# Altium PCB Fastino-DIOT.PCBDOC (part 2 of 22) (continued)
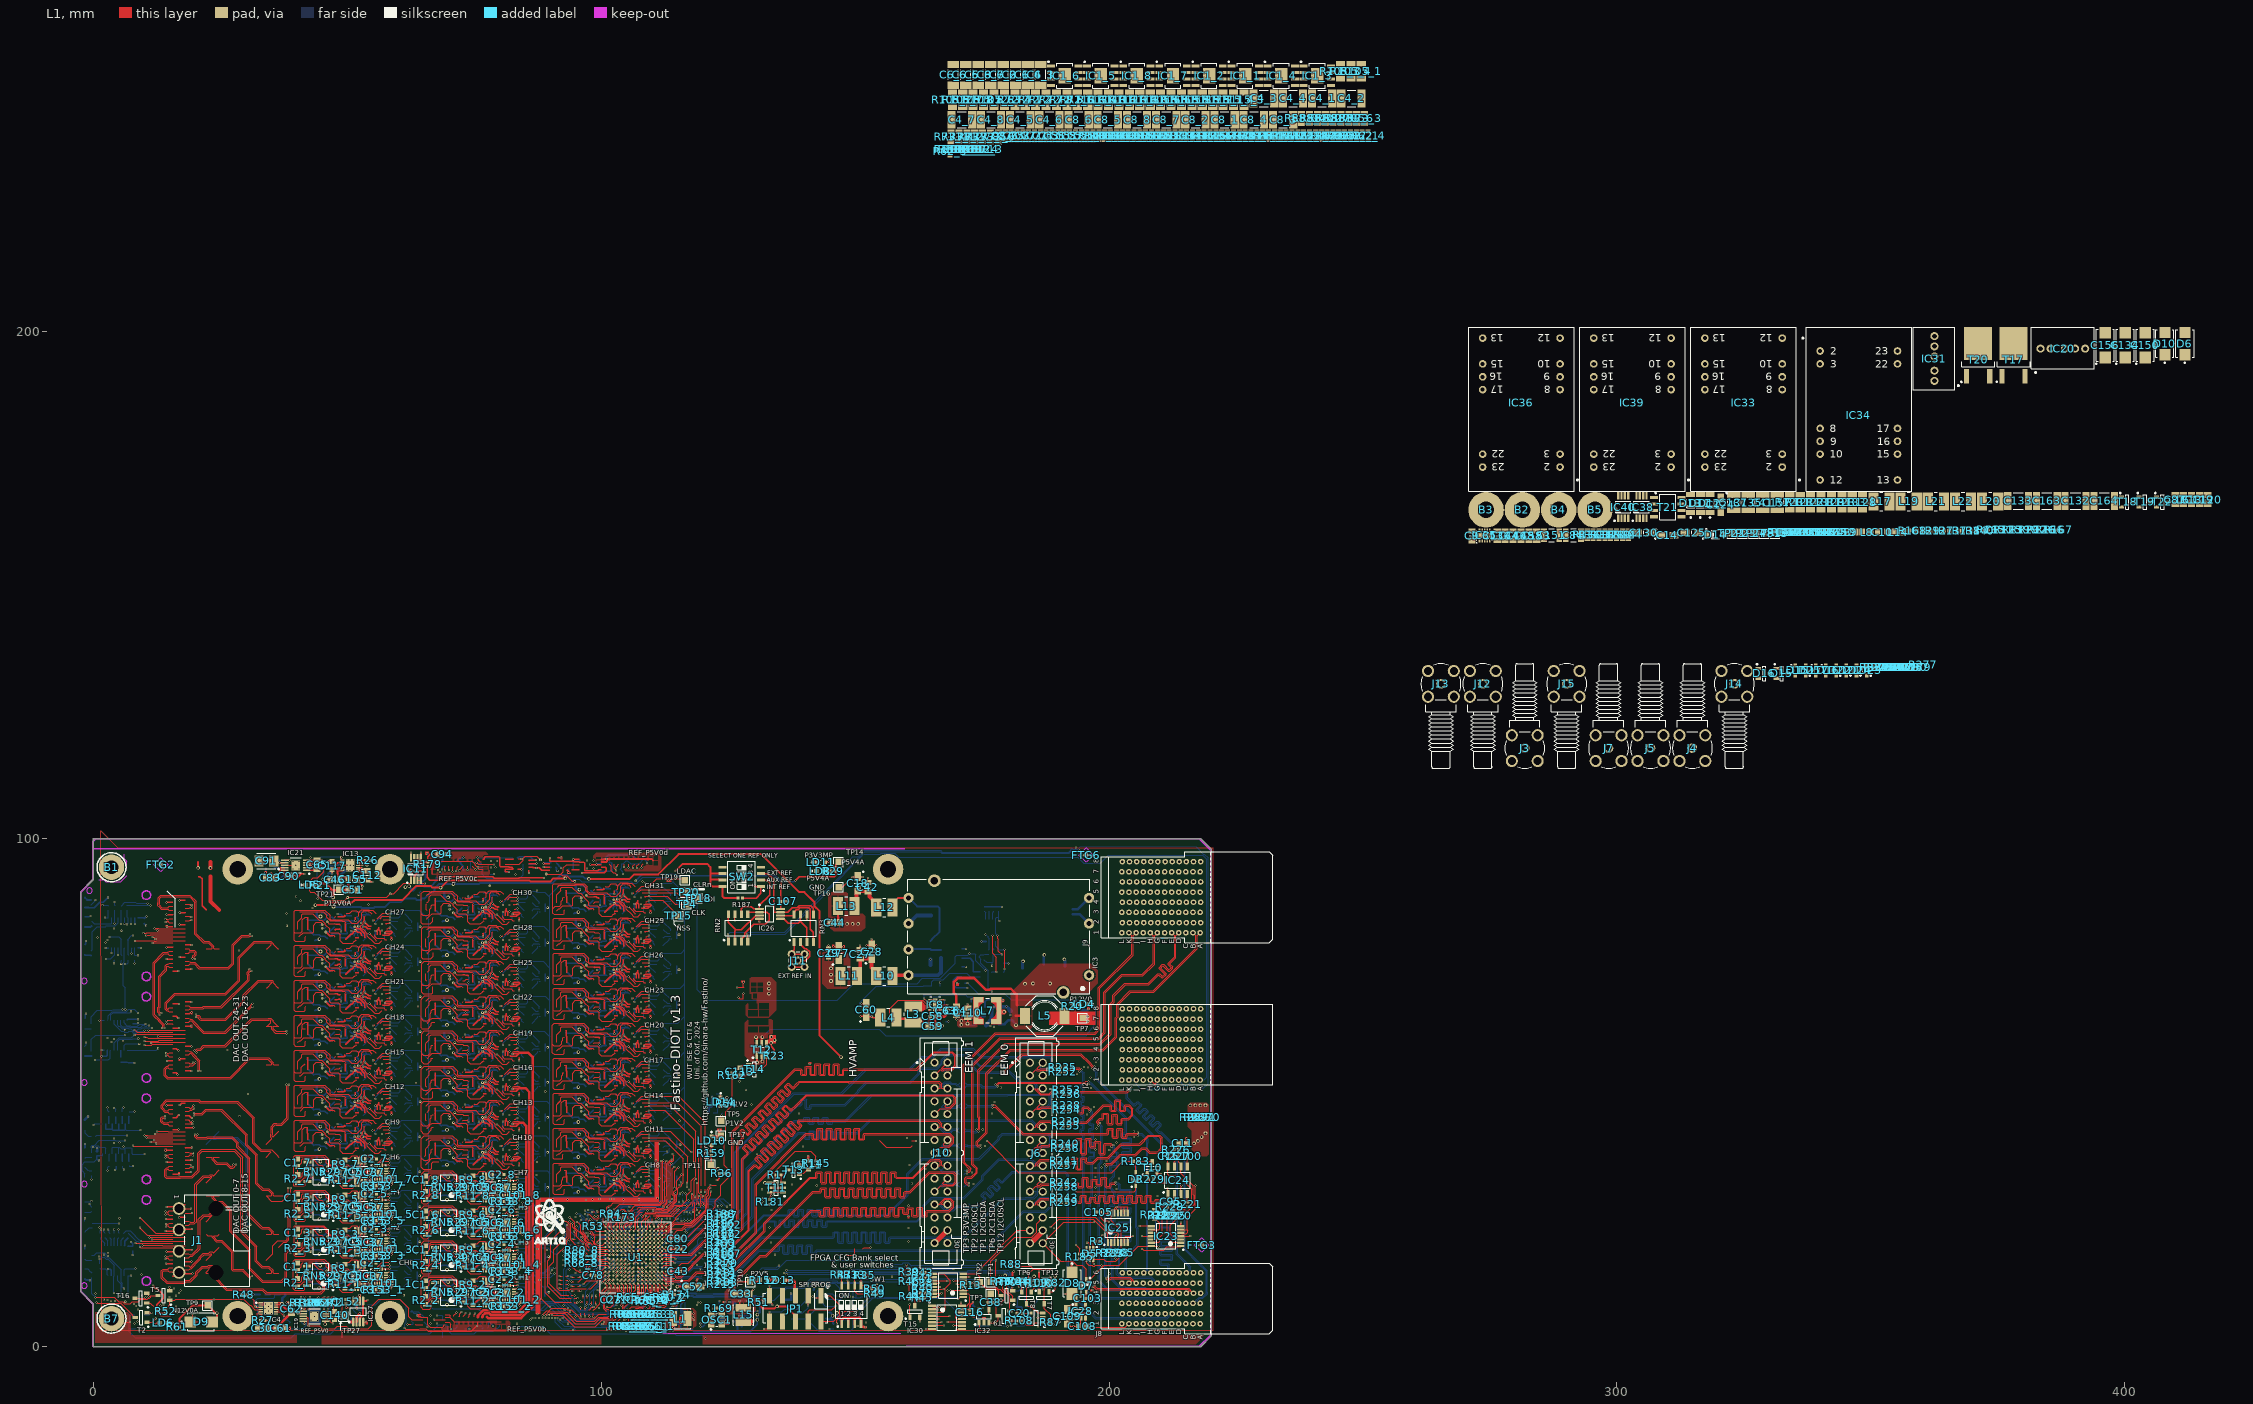
[diagram p0: L1 view]
## Components (designator, comment, footprint, x,y, rotation, side; value= is the part's Value field where it differs from the comment) (continued)
R40 "0" RESC1005X40N 163.322,11.506 r180 top
R41 "0" RESC1005X40N 163.25,13.5 r0 top
R42 "0" RESC1005X40N 132.766,8.738 r270 bottom
R43 "10k" RESC1005X40N 163.322,14.529 r0 top
R44 "0" RESC1005X40N 160.731,9.881 r270 top
R45 "0" RESC1005X40N 163.22,9.601 r180 top
R46 "2k2" RESC1005X40N 160.655,12.827 r270 top
R47 "2k2" RESC1005X40N 147.295,14.097 r270 top
R48 "2k2" RESC1005X40N 29.591,10.16 r0 top
R49 "2k2" RESC1005X40N 153.822,10.363 r0 top
R50 "2k2" RESC1005X40N 153.822,11.379 r0 top
R51 "5k1" RESC1005X40N 131,8.75 r90 top
R52 "10k" RESC1005X40N 14.25,7 r90 top
R53 "2k2" RESC1005X40N 98.425,23.711 r270 top
R54 "1k" RESC1005X40N 124.742,47.773 r270 top
R55 "240" RESC1005X40N -0.33,14.046 r90 bottom
R56 "24k" RESC1608X55N 163.411,70.138 r90 bottom
R57 "1k" RESC1005X40N 50.063,89.84 r0 bottom
R58_1 "51k" RESC2012X60N 241.032,241.883 r90 top (schematic designator R58)
R58_2 "51k" RESC2012X60N 242.585,241.883 r90 top (schematic designator R58)
R58_3 "51k" RESC2012X60N 237.928,241.883 r90 top (schematic designator R58)
R58_4 "51k" RESC2012X60N 239.48,241.883 r90 top (schematic designator R58)
R58_5 "51k" RESC2012X60N 247.242,241.883 r90 top (schematic designator R58)
R58_6 "51k" RESC2012X60N 248.794,241.883 r90 top (schematic designator R58)
R58_7 "51k" RESC2012X60N 244.137,241.883 r90 top (schematic designator R58)
R58_8 "51k" RESC2012X60N 245.69,241.883 r90 top (schematic designator R58)
R59 "120" RESC1005X40N 121.467,15.539 r270 bottom
R60 "10k" RESC1005X40N 152.273,10.516 r90 bottom
R61 "10k" RESC1005X40N 16.459,3.861 r0 top
R62_1 "10k" RESC1608X64N 249.862,238.48 r90 top (schematic designator R62)
R62_2 "10k" RESC1608X64N 248.709,238.48 r90 top (schematic designator R62)
R62_3 "10k" RESC1608X64N 168.699,235.378 r90 top (schematic designator R62)
R62_4 "10k" RESC1608X64N 251.014,238.48 r90 top (schematic designator R62)
R62_5 "10k" RESC1608X64N 245.252,238.48 r90 top (schematic designator R62)
R62_6 "10k" RESC1608X64N 244.1,238.48 r90 top (schematic designator R62)
R62_7 "10k" RESC1608X64N 247.557,238.48 r90 top (schematic designator R62)
R62_8 "10k" RESC1608X64N 246.405,238.48 r90 top (schematic designator R62)
R63 "1k" RESC1005X40N 47.93,89.84 r0 bottom
R64 "75k" RESC1005X40N 46.228,89.014 r90 bottom
R65_1 "62" RESC0603X26X15LL03T05 110.084,3.937 r270 top value=62R (schematic designator R65)
R65_2 "62" RESC0603X26X15LL03T05 112.85,9.5 r270 top value=62R (schematic designator R65)
R65_3 "62" RESC0603X26X15LL03T05 110.592,6.344 r270 top value=62R (schematic designator R65)
R65_4 "62" RESC0603X26X15LL03T05 110.025,8.925 r270 top value=62R (schematic designator R65)
R65_5 "62" RESC0603X26X15LL03T05 106.451,3.957 r270 top value=62R (schematic designator R65)
R65_6 "62" RESC0603X26X15LL03T05 106.425,9.675 r270 top value=62R (schematic designator R65)
R65_7 "62" RESC0603X26X15LL03T05 106.807,6.381 r270 top value=62R (schematic designator R65)
R65_8 "62" RESC0603X26X15LL03T05 96.108,17.323 r180 top value=62R (schematic designator R65)
R66_1 "62" RESC0603X26X15LL03T05 110.998,3.968 r270 top value=62R (schematic designator R66)
R66_2 "62" RESC0603X26X15LL03T05 109.925,11.75 r270 bottom value=62R (schematic designator R66)
R66_3 "62" RESC0603X26X15LL03T05 111.328,6.35 r270 top value=62R (schematic designator R66)
R66_4 "62" RESC0603X26X15LL03T05 109.28,9.089 r270 top value=62R (schematic designator R66)
R66_5 "62" RESC0603X26X15LL03T05 107.386,3.968 r270 top value=62R (schematic designator R66)
R66_6 "62" RESC0603X26X15LL03T05 98.2,15.125 r180 bottom value=62R (schematic designator R66)
R66_7 "62" RESC0603X26X15LL03T05 107.696,6.344 r270 top value=62R (schematic designator R66)
R66_8 "62" RESC0603X26X15LL03T05 96.114,16.408 r180 top value=62R (schematic designator R66)
R67_1 "0" RESC1608X55N 46.588,13.96 r180 bottom (schematic designator R67)
R67_2 "0" RESC1608X55N 71.793,10.719 r180 bottom (schematic designator R67)
R67_3 "0" RESC1608X55N 46.642,20.678 r180 bottom (schematic designator R67)
R67_4 "0" RESC1608X55N 71.793,17.605 r180 bottom (schematic designator R67)
R67_5 "0" RESC1608X55N 46.642,27.565 r180 bottom (schematic designator R67)
R67_6 "0" RESC1608X55N 71.793,24.492 r180 bottom (schematic designator R67)
R67_7 "0" RESC1608X55N 46.642,34.451 r180 bottom (schematic designator R67)
R67_8 "0" RESC1608X55N 71.793,31.379 r180 bottom (schematic designator R67)
R68 "10k" RESC1005X40N 174.611,73.313 r270 bottom
R69_1 "62" RESC0603X26X15LL03T05 109.296,4.033 r270 top value=62R (schematic designator R69)
R69_2 "62" RESC0603X26X15LL03T05 111.175,11.725 r270 bottom value=62R (schematic designator R69)
R69_3 "62" RESC0603X26X15LL03T05 109.728,6.395 r270 top value=62R (schematic designator R69)
R69_4 "62" RESC0603X26X15LL03T05 109.2,11.75 r270 bottom value=62R (schematic designator R69)
R69_5 "62" RESC0603X26X15LL03T05 105.588,3.957 r270 top value=62R (schematic designator R69)
R69_6 "62" RESC0603X26X15LL03T05 97.975,19.675 r180 bottom value=62R (schematic designator R69)
R69_7 "62" RESC0603X26X15LL03T05 105.918,6.356 r270 top value=62R (schematic designator R69)
R69_8 "62" RESC0603X26X15LL03T05 96.108,18.237 r180 top value=62R (schematic designator R69)
R70 "100k" RESC1005X40N 179.883,12.7 r90 top
R71 "120" RESC1005X40N 124.799,20.216 r270 top
R72_1 "Undefined" RESC3216X65N 183.504,245.535 r90 top (schematic designator R72)
R72_2 "Undefined" RESC3216X65N 185.554,245.535 r90 top (schematic designator R72)
R72_3 "Undefined" RESC3216X65N 179.402,245.535 r90 top (schematic designator R72)
R72_4 "Undefined" RESC3216X65N 181.453,245.535 r90 top (schematic designator R72)
R72_5 "Undefined" RESC3216X65N 191.707,245.535 r90 top (schematic designator R72)
R72_6 "Undefined" RESC3216X65N 193.758,245.535 r90 top (schematic designator R72)
R72_7 "Undefined" RESC3216X65N 187.605,245.535 r90 top (schematic designator R72)
R72_8 "Undefined" RESC3216X65N 189.656,245.535 r90 top (schematic designator R72)
R73_1 "51k" RESC2012X60N 170.451,238.23 r90 top (schematic designator R73)
R73_2 "51k" RESC2012X60N 172.004,238.23 r90 top (schematic designator R73)
R73_3 "51k" RESC2012X60N 250.347,241.883 r90 top (schematic designator R73)
R73_4 "51k" RESC2012X60N 168.899,238.23 r90 top (schematic designator R73)
R73_5 "51k" RESC2012X60N 176.661,238.23 r90 top (schematic designator R73)
R73_6 "51k" RESC2012X60N 178.213,238.23 r90 top (schematic designator R73)
R73_7 "51k" RESC2012X60N 173.556,238.23 r90 top (schematic designator R73)
R73_8 "51k" RESC2012X60N 175.108,238.23 r90 top (schematic designator R73)
R74 "10k" RESC1005X40N 180.988,12.879 r270 top
R75 "120" RESC1005X40N 121.526,25.088 r270 bottom
R76 "5k1" RESC1005X40N 123.451,46.067 r0 bottom
R77 "10k" RESC1005X40N 121.625,46.067 r0 bottom
R78 "10k" RESC1005X40N 178.778,12.878 r270 top
R79 "120" RESC1005X40N 124.857,16.429 r270 top
R80_1 "62" RESC0603X26X15LL03T05 108.433,4.033 r270 top value=62R (schematic designator R80)
R80_2 "62" RESC0603X26X15LL03T05 113.525,9.725 r270 top value=62R (schematic designator R80)
R80_3 "62" RESC0603X26X15LL03T05 108.915,6.395 r270 top value=62R (schematic designator R80)
R80_4 "62" RESC0603X26X15LL03T05 108.675,11.675 r270 bottom value=62R (schematic designator R80)
R80_5 "62" RESC0603X26X15LL03T05 104.699,3.957 r270 top value=62R (schematic designator R80)
R80_6 "62" RESC0603X26X15LL03T05 109.325,6.775 r270 bottom value=62R (schematic designator R80)
R80_7 "62" RESC0603X26X15LL03T05 105.029,6.381 r270 top value=62R (schematic designator R80)
R80_8 "62" RESC0603X26X15LL03T05 96.125,18.975 r180 top value=62R (schematic designator R80)
R81 "120" RESC1005X40N 124.857,14.562 r270 top
R82 "100k" RESC1005X40N 189.396,12.536 r90 top
R83 "120" RESC1005X40N 124.799,12.652 r270 top
R84 "10k" RESC1005X40N 182.233,12.879 r270 top
R85 "120" RESC1005X40N 121.555,17.509 r270 bottom
R86 "10k" RESC1005X40N 175.361,76.658 r90 bottom
R87 "10k" RESC1005X40N 188.481,4.838 r270 top
R88 "10k" RESC1005X40N 180.75,16.25 r90 top
R89 "0" RESC1005X40N 176.354,77.726 r270 bottom
R90 "0" RESC1005X40N 175.44,86.185 r270 bottom
R91 "0" RESC1005X40N 176.41,86.154 r270 bottom
R92 "0" RESC1005X40N 177.335,86.154 r270 bottom
R93 "240" RESC1005X40N -0.381,27.102 r90 bottom
R94 "2k2" RESC1005X40N 101.854,26.175 r270 top
R95 "120" RESC1005X40N 121.526,23.19 r270 bottom
R96 "120" RESC1005X40N 121.551,21.285 r270 bottom
R97 "120" RESC1005X40N 124.799,25.84 r270 top
R98 "120" RESC1005X40N 121.467,13.634 r270 bottom
R99 "120" RESC1005X40N 121.467,11.729 r270 bottom
R100 "3k3" RESC1608X55N 34.725,94.25 r180 bottom
R101 "10k" RESC1005X40N 170.636,71.113 r270 bottom
R102 "120" RESC1005X40N 124.799,23.96 r270 top
R103 "8k2" RESC1005X40N 171.586,71.113 r90 bottom
R104 "10k" RESC1005X40N 172.896,67.311 r270 bottom
R105_1 "10" RESC3216X65N 249.688,251.188 r90 top (schematic designator R105)
R105_2 "10" RESC3216X65N 169.148,245.535 r90 top (schematic designator R105)
R105_3 "10" RESC3216X65N 245.586,251.188 r90 top (schematic designator R105)
R105_4 "10" RESC3216X65N 247.637,251.188 r90 top (schematic designator R105)
R105_5 "10" RESC3216X65N 175.3,245.535 r90 top (schematic designator R105)
R105_6 "10" RESC3216X65N 177.351,245.535 r90 top (schematic designator R105)
R105_7 "10" RESC3216X65N 171.199,245.535 r90 top (schematic designator R105)
R105_8 "10" RESC3216X65N 173.25,245.535 r90 top (schematic designator R105)
R106_1 "3R6" RESC1608X55N 200.309,238.455 r90 top (schematic designator R106)
R106_2 "3R6" RESC1608X55N 201.461,238.455 r90 top (schematic designator R106)
R106_3 "3R6" RESC1608X55N 198.004,238.455 r90 top (schematic designator R106)
R106_4 "3R6" RESC1608X55N 199.156,238.455 r90 top (schematic designator R106)
R106_5 "3R6" RESC1608X55N 204.918,238.455 r90 top (schematic designator R106)
R106_6 "3R6" RESC1608X55N 206.071,238.455 r90 top (schematic designator R106)
R106_7 "3R6" RESC1608X55N 202.614,238.455 r90 top (schematic designator R106)
R106_8 "3R6" RESC1608X55N 203.766,238.455 r90 top (schematic designator R106)
R107 "120" RESC1005X40N 124.782,18.324 r270 top
R108 "100k" RESC1005X40N 182.347,5.068 r0 top
R109 "100k" RESC1005X40N 185.281,12.536 r90 top
R110 "10k" RESC1005X40N 186.246,12.51 r270 top
R111 "100" RESC1005X40N 103.4,17.6 r180 bottom
R112 "100" RESC1005X40N 105.537,11.606 r90 bottom
R113_1 "100k" RESC1608X55N 212.985,238.455 r90 top (schematic designator R113)
R113_2 "100k" RESC1608X55N 211.833,238.455 r90 top (schematic designator R113)
R113_3 "100k" RESC1608X55N 215.29,238.455 r90 top (schematic designator R113)
R113_4 "100k" RESC1608X55N 214.138,238.455 r90 top (schematic designator R113)
R113_5 "100k" RESC1608X55N 208.376,238.455 r90 top (schematic designator R113)
R113_6 "100k" RESC1608X55N 207.223,238.455 r90 top (schematic designator R113)
R113_7 "100k" RESC1608X55N 210.68,238.455 r90 top (schematic designator R113)
R113_8 "100k" RESC1608X55N 209.528,238.455 r90 top (schematic designator R113)
R114_1 "0" RESC1608X55N 233.728,238.455 r90 top (schematic designator R114)
R114_2 "0" RESC1608X55N 234.881,238.455 r90 top (schematic designator R114)
R114_3 "0" RESC1608X55N 236.033,238.455 r90 top (schematic designator R114)
R114_4 "0" RESC1608X55N 230.271,238.455 r90 top (schematic designator R114)
R114_5 "0" RESC1608X55N 231.423,238.455 r90 top (schematic designator R114)
R114_6 "0" RESC1608X55N 232.576,238.455 r90 top (schematic designator R114)
R114_7 "0" RESC1608X55N 240.643,238.455 r90 top (schematic designator R114)
R114_8 "0" RESC1608X55N 241.795,238.455 r90 top (schematic designator R114)
R115_1 "51k" RESC3216X65N 222.469,245.535 r90 top (schematic designator R115)
R115_2 "51k" RESC3216X65N 220.418,245.535 r90 top (schematic designator R115)
R115_3 "51k" RESC3216X65N 226.57,245.535 r90 top (schematic designator R115)
R115_4 "51k" RESC3216X65N 224.52,245.535 r90 top (schematic designator R115)
R115_5 "51k" RESC3216X65N 214.266,245.535 r90 top (schematic designator R115)
R115_6 "51k" RESC3216X65N 212.215,245.535 r90 top (schematic designator R115)
R115_7 "51k" RESC3216X65N 218.367,245.535 r90 top (schematic designator R115)
R115_8 "51k" RESC3216X65N 216.316,245.535 r90 top (schematic designator R115)
R116_1 "51k" RESC3216X65N 199.91,245.535 r90 top (schematic designator R116)
R116_2 "51k" RESC3216X65N 201.961,245.535 r90 top (schematic designator R116)
R116_3 "51k" RESC3216X65N 195.808,245.535 r90 top (schematic designator R116)
R116_4 "51k" RESC3216X65N 197.859,245.535 r90 top (schematic designator R116)
R116_5 "51k" RESC3216X65N 208.113,245.535 r90 top (schematic designator R116)
R116_6 "51k" RESC3216X65N 210.164,245.535 r90 top (schematic designator R116)
R116_7 "51k" RESC3216X65N 204.012,245.535 r90 top (schematic designator R116)
R116_8 "51k" RESC3216X65N 206.062,245.535 r90 top (schematic designator R116)
R117 "27k" RESC1005X40N 35.746,96.06 r0 bottom
R118_1 "330" RESC1005X40N 173.523,235.843 r90 top (schematic designator R118)
R118_2 "330" RESC1005X40N 172.751,235.843 r90 top (schematic designator R118)
R118_3 "330" RESC1005X40N 175.068,235.843 r90 top (schematic designator R118)
R118_4 "330" RESC1005X40N 174.296,235.843 r90 top (schematic designator R118)
R118_5 "330" RESC1005X40N 170.434,235.843 r90 top (schematic designator R118)
R118_6 "330" RESC1005X40N 169.661,235.843 r90 top (schematic designator R118)
R118_7 "330" RESC1005X40N 171.978,235.843 r90 top (schematic designator R118)
R118_8 "330" RESC1005X40N 171.206,235.843 r90 top (schematic designator R118)
R119 "22k" RESC1005X40N 380.394,160.825 r0 top
R120 "10k" RESC3216X65N 334.069,166.262 r270 top
R121 "200k" RESC3216X65N 336.12,166.262 r270 top
R122 "200k" RESC3216X65N 338.171,166.262 r270 top
R123 "10k" RESC3216X65N 344.323,166.262 r270 top
R124 "20k" RESC1608X55N 302.253,159.885 r270 top
R125 "22k" RESC1005X40N 377.049,160.825 r0 top
R126 "2k" RESC1005X40N 383.739,160.825 r0 top
R127 "1k2" RESC1608X55N 363.585,160.635 r180 top
R128 "200k" RESC3216X65N 348.425,166.262 r270 top
R129 "10k" RESC3216X65N 342.273,166.262 r270 top
R130 "3k3" RESC1005X40N 333.344,160.375 r270 top
R131 "200k" RESC3216X65N 340.222,166.262 r270 top
R132 "47k" RESC1608X55N 297.644,159.885 r270 top
R133 "10k" RESC3216X65N 346.374,166.262 r270 top
R134 "3k" RESC1608X55N 296.491,159.885 r270 top
R135 "47k" RESC1005X40N 37.475,94.275 r180 bottom
R136 "1k2" RESC1608X55N 294.186,159.885 r270 top
R137 "3k" RESC1608X55N 366.237,160.635 r180 top
R138 "270k" RESC1608X55N 368.889,160.635 r180 top
R139 "2k" RESC1005X40N 378.721,160.825 r0 top
R140 "82k" RESC1608X55N 371.542,160.635 r0 top
R141 "1k2" RESC1608X55N 295.339,159.885 r270 top
R142 "27k" RESC1005X40N 33.858,96.088 r0 bottom
R143 "240" RESC1005X40N -0.356,34.138 r90 bottom
R144 "3k" RESC1608X55N 301.101,159.885 r270 top
R145 "33k" RESC1005X40N 142.3,36.1 r270 top
R146 "10k" RESC1005X40N 332.572,160.375 r270 top
R147 "10k" RESC1005X40N 334.889,160.375 r270 top
R148 "10k" RESC1005X40N 343.385,160.375 r270 top
R149 "1k2" RESC1608X55N 299.948,159.885 r270 top
R150 "0" RESC1005X40N 344.158,160.375 r270 top
R151 "31k6" RESC1005X35N 172.896,65.441 r270 bottom
R152 "220" RESC1608X55N 132.004,13.106 r180 top
R153_1 "0" RESC1005X40N 57.116,11.166 r180 top (schematic designator R153)
R153_2 "0" RESC1005X40N 82.321,7.925 r180 top (schematic designator R153)
R153_3 "0" RESC1005X40N 57.17,17.884 r180 top (schematic designator R153)
R153_4 "0" RESC1005X40N 82.321,14.811 r180 top (schematic designator R153)
R153_5 "0" RESC1005X40N 57.17,24.771 r180 top (schematic designator R153)
R153_6 "0" RESC1005X40N 82.321,21.698 r180 top (schematic designator R153)
R153_7 "0" RESC1005X40N 57.17,31.657 r180 top (schematic designator R153)
R153_8 "0" RESC1005X40N 82.321,28.585 r180 top (schematic designator R153)
R154 "1k" RESC1005X40N 45.415,6.502 r90 bottom
R155 "5k1" RESC1005X40N 41.419,5.313 r180 bottom
R156 "5k1" RESC1005X40N 51.791,6.071 r270 bottom
R157 "39k" RESC1608X55N 48.946,6.121 r270 bottom
R158 "220" RESC1005X40N 50.851,6.045 r90 bottom
R159 "1k" RESC1005X40N 121.67,38.068 r90 top
R160 "1k" RESC1005X40N 145.75,95.5 r180 bottom
R161 "0" RESC1005X40N 341.841,160.375 r90 top
R162 "33k" RESC1005X40N 125.8,53.4 r90 top
R163 "0" RESC1005X40N 342.613,160.375 r270 top
R164_1 "10" RESC1005X40N 51.765,16.243 r90 bottom (schematic designator R164)
R164_2 "10" RESC1005X40N 76.971,13.003 r90 bottom (schematic designator R164)
R164_3 "10" RESC1005X40N 51.82,22.962 r90 bottom (schematic designator R164)
R164_4 "10" RESC1005X40N 76.971,19.889 r90 bottom (schematic designator R164)
R164_5 "10" RESC1005X40N 51.82,29.849 r90 bottom (schematic designator R164)
R164_6 "10" RESC1005X40N 76.971,26.776 r90 bottom (schematic designator R164)
R164_7 "10" RESC1005X40N 51.82,36.735 r90 bottom (schematic designator R164)
R164_8 "10" RESC1005X40N 76.971,33.662 r90 bottom (schematic designator R164)
R165 "0" RESC1005X40N 373.704,160.825 r0 top
R166 "0" RESC1005X40N 385.411,160.825 r0 top
R167 "2M" RESC1005X40N 387.083,160.825 r0 top
R168 "3k" RESC1608X55N 358.28,160.635 r180 top
R169 "22" RESC1005X40N 123.192,7.571 r180 top
R172 "120" RESC1005X40N 124.799,22.083 r270 top
R173 "2k2" RESC1005X40N 104,25.45 r180 top
R174 "2k2" RESC1005X40N 114.91,10.225 r180 top
R175 "10k" RESC1005X40N 178.31,77.726 r270 bottom
R176 "140" RESC0603X28N#1 120.358,23.571 r0 bottom
R177 "10k" RESC1005X40N 177.335,77.726 r270 bottom
R178 "140" RESC0603X28N#1 120.383,22.835 r0 bottom
R179 "0" RESC1005X40N 65.85,94.975 r270 top
R180 "140" RESC0603X28N#1 120.396,21.641 r0 bottom
R181 "10k" RESC1005X40N 133.25,28.5 r270 top
R182 "140" RESC0603X28N#1 120.371,20.93 r0 bottom
R183 "0" RESC1005X40N 205.28,36.5 r180 top
R184 "140" RESC0603X28N#1 120.383,19.838 r0 bottom
R185 "22" RESC1005X40N 194.25,17.72 r270 top
R186 "140" RESC0603X28N#1 120.371,19.025 r0 bottom
R187 "0" RESC1005X40N 127.381,88.341 r180 top
R188 "140" RESC0603X28N#1 123.63,26.195 r0 top
R189 "140" RESC0603X28N#1 123.63,25.484 r0 top
R190 "140" RESC0603X28N#1 120.294,15.9 r0 bottom
R191 "140" RESC0603X28N#1 120.294,15.164 r0 bottom
R192 "140" RESC0603X28N#1 120.269,14.019 r0 bottom
R193 "140" RESC0603X28N#1 120.294,13.284 r0 bottom
R194 "140" RESC0603X28N#1 120.294,12.09 r0 bottom
R195 "140" RESC0603X28N#1 120.294,11.379 r0 bottom
R196 "140" RESC0603X28N#1 123.63,24.316 r0 top
R197 "140" RESC0603X28N#1 123.605,23.579 r0 top
R198 "140" RESC0603X28N#1 123.63,22.438 r0 top
R199 "140" RESC0603X28N#1 123.605,21.682 r0 top
R200 "140" RESC0603X28N#1 123.63,20.584 r0 top
R201 "10k" RESC1005X40N 337.206,160.375 r90 top
R202 "10k" RESC1005X40N 382.066,160.825 r0 top
R203 "140" RESC0603X28N#1 123.63,19.848 r0 top
R204 "10k" RESC1005X40N 142.291,11.125 r180 bottom
R205 "22" RESC1005X40N 202.25,18.5 r270 top
R206 "140" RESC0603X28N#1 120.345,25.451 r0 bottom
R207 "140" RESC0603X28N#1 120.345,24.714 r0 bottom
R208 "140" RESC0603X28N#1 123.588,18.68 r0 top
R209 "140" RESC0603X28N#1 123.588,17.943 r0 top
R210 "140" RESC0603X28N#1 123.612,16.81 r0 top
R211 "140" RESC0603X28N#1 123.637,16.048 r0 top
R212 "140" RESC0603X28N#1 123.663,14.93 r0 top
R213 "140" RESC0603X28N#1 123.688,14.194 r0 top
R214 "140" RESC0603X28N#1 123.63,13.007 r0 top
R215 "140" RESC0603X28N#1 123.605,12.271 r0 top
R216 "140" RESC0603X28N#1 120.383,17.907 r0 bottom
R217 "140" RESC0603X28N#1 120.383,17.17 r0 bottom
R218 "0" RESC1005X40N 337.979,160.375 r270 top
R219 "0" RESC1005X40N 335.661,160.375 r270 top
R220 "10k" RESC1005X40N 213.5,25.75 r270 top
R221 "0" RESC1005X40N 215.5,28 r270 top
R222 "2k7" RESC1608X55N 209,26 r270 top
R223 "5k6" RESC1005X40N 210.5,25.75 r270 top
R224 "10k" RESC1005X40N 211.5,25.72 r270 top
R225 "10k" RESC1005X40N 212.5,25.75 r270 top
R226 "1k6" RESC1005X40N 213.25,38.75 r180 top
R227 "1k6" RESC1005X40N 213.25,37.5 r180 top
R228 "10k" RESC1005X40N 212,27.5 r0 top
R229 "10k" RESC1005X40N 208.25,33 r180 top
R230 "1M1" RESC2012X60N 9.098,6.264 r0 bottom
R231 "10M" RESC2113X55N 68.75,4.25 r90 bottom
R232 "10M" RESC2113X55N 81,4.25 r180 bottom
R233 "0" RESC1005X40N 200.279,18.39 r90 top
R234 "75k" RESC1005X40N 113.5,8 r90 bottom
R235 "0" RESC1005X40N 190.9,55 r180 top
R236 "0" RESC1005X40N 191.65,49.7 r180 top
R237 "75k" RESC1005X40N 112.5,8 r270 bottom
R238 "0" RESC1005X40N 191.65,47.5 r180 top
R239 "0" RESC1005X40N 191.56,44.39 r180 top
R240 "0" RESC1005X40N 191.4,39.95 r180 top
R241 "0" RESC1005X40N 191.15,36.6 r180 top
R242 "0" RESC1005X40N 191.15,32.35 r180 top
R243 "0" RESC1005X40N 191.15,29.3 r180 top
R244 "0" RESC1005X40N 171.23,55.5 r180 bottom
R245 "0" RESC1005X40N 171.2,52 r180 bottom
R246 "0" RESC1005X40N 171.3,47.8 r180 bottom
R247 "0" RESC1005X40N 171,42.1 r180 bottom
R248 "0" RESC1005X40N 171,40 r180 bottom
R249 "0" RESC1005X40N 171,33.9 r180 bottom
R250 "0" RESC1005X40N 171,32.4 r180 bottom
R251 "0" RESC0603X28N#2 172.03,27.1 r0 bottom
R252 "0" RESC1005X40N 190.9,54.1 r180 top
R253 "0" RESC1005X40N 191.65,50.6 r180 top
R254 "0" RESC1005X40N 191.65,46.6 r180 top
R255 "0" RESC1005X40N 191.56,43.49 r180 top
R256 "0" RESC1005X40N 191.4,39.05 r180 top
R257 "0" RESC1005X40N 191.15,35.7 r180 top
R258 "0" RESC1005X40N 191.15,31.45 r180 top
R259 "0" RESC1005X40N 191.15,28.4 r180 top
R260 "0" RESC1005X40N 171.23,54.5 r180 bottom
R261 "0" RESC1005X40N 171.2,51 r180 bottom
R262 "0" RESC1005X40N 171.3,46.9 r180 bottom
R263 "0" RESC1005X40N 170.98,43.046 r180 bottom
R264 "0" RESC1005X40N 171,39.1 r180 bottom
R265 "0" RESC1005X40N 170.98,34.82 r180 bottom
R266 "0" RESC1005X40N 171,31.5 r180 bottom
R267 "0" RESC0603X28N#2 172,28.1 r0 bottom
R268 "0" RESC1005X40N 217.588,45.153 r90 top
R269 "0" RESC1005X40N 216.816,45.153 r90 top
R270 "0" RESC1005X40N 219.133,45.153 r90 top
R271 "0" RESC1005X40N 218.361,45.153 r90 top
R272 "0" RESC1005X40N 46.38,8.636 r90 top
R273 "0" RESC1005X40N 336.434,160.375 r270 top
R274 "100" RESC1005X40N 350.675,133.809 r270 top
R275 "100" RESC1005X40N 351.447,133.809 r90 top
R276 "2k" RESC1005X40N 357.626,133.809 r90 top
R277 "2k" RESC1005X40N 360.394,134.259 r0 top
R278 "2k" RESC1005X40N 356.854,133.809 r90 top
R279 "2k" RESC1005X40N 359.171,133.809 r90 top
R280 "2k" RESC1005X40N 358.399,133.809 r270 top
R281 "2k" RESC1005X40N 356.082,133.809 r90 top
R282 "2k" RESC1005X40N 352.992,133.809 r90 top
R283 "2k" RESC1005X40N 352.22,133.809 r90 top
R284 "2k" RESC1005X40N 353.764,133.809 r90 top
R285 "2k" RESC1005X40N 355.309,133.809 r90 top
R297_1 "0" RESC0603X28N#2 48.603,13.836 r90 top (schematic designator R297)
R297_2 "0" RESC0603X28N#2 73.728,10.678 r90 top (schematic designator R297)
R297_3 "0" RESC0603X28N#2 48.603,20.596 r90 top (schematic designator R297)
R297_4 "0" RESC0603X28N#2 73.728,17.523 r90 top (schematic designator R297)
R297_5 "0" RESC0603X28N#2 48.603,27.441 r90 top (schematic designator R297)
R297_6 "0" RESC0603X28N#2 73.728,24.452 r90 top (schematic designator R297)
R297_7 "0" RESC0603X28N#2 48.603,34.369 r90 top (schematic designator R297)
R297_8 "0" RESC0603X28N#2 73.728,31.38 r90 top (schematic designator R297)
R298 "240" RESC1005X40N 201.27,18.44 r90 top
R381 "75k" RESC1005X40N 123.25,7.75 r90 bottom
R382 "24k" RESC1005X40N 124.25,7.75 r270 bottom
RN1_1 "100" RN_YAGEO_TC124 63.11,13.949 r0 bottom (schematic designator RN1)
RN1_2 "100" RN_YAGEO_TC124 88.316,10.708 r0 bottom (schematic designator RN1)
RN1_3 "100" RN_YAGEO_TC124 63.165,20.667 r0 bottom (schematic designator RN1)
RN1_4 "100" RN_YAGEO_TC124 88.316,17.594 r0 bottom (schematic designator RN1)
RN1_5 "100" RN_YAGEO_TC124 63.165,27.554 r0 bottom (schematic designator RN1)
RN1_6 "100" RN_YAGEO_TC124 88.316,24.481 r0 bottom (schematic designator RN1)
RN1_7 "100" RN_YAGEO_TC124 63.165,34.44 r0 bottom (schematic designator RN1)
RN1_8 "100" RN_YAGEO_TC124 88.316,31.368 r0 bottom (schematic designator RN1)
RN2 "10k" SOIC127P600X175-8N 126.949,82.448 r90 top
RN3 "10k" SOIC127P600X175-8N 139.878,82.398 r90 top
RN5_1 "10k" SOIC127P600X175-8N 44.773,13.919 r180 top (schematic designator RN5)
RN5_2 "10k" SOIC127P600X175-8N 69.978,10.678 r180 top (schematic designator RN5)
RN5_3 "10k" SOIC127P600X175-8N 44.827,20.638 r180 top (schematic designator RN5)
RN5_4 "10k" SOIC127P600X175-8N 69.978,17.565 r180 top (schematic designator RN5)
RN5_5 "10k" SOIC127P600X175-8N 44.827,27.524 r180 top (schematic designator RN5)
RN5_6 "10k" SOIC127P600X175-8N 69.978,24.452 r180 top (schematic designator RN5)
RN5_7 "10k" SOIC127P600X175-8N 44.827,34.411 r180 top (schematic designator RN5)
RN5_8 "10k" SOIC127P600X175-8N 69.978,31.338 r180 top (schematic designator RN5)
SW1 "Switch" SW_TYCO_1571983-4 149.276,8.24 r90 top
SW2 "Switch" SW_TYCO_1571983-4 127.66,92.507 r180 top
T1 "BC847B" SOT95P230X110-3N 122.668,48.676 r90 bottom
T2 "BSS138LT1G" SOT95P240X110-3N 9.398,5.715 r180 top
T3 "BSS138LT1G" SOT95P240X110-3N 172.161,77.388 r0 bottom
T4 "BSS138LT1G" SOT95P240X110-3N 172.161,73.813 r0 bottom
T5 "BSS138LT1G" SOT95P240X110-3N 13.848,10.055 r180 top
T6 "BSS138LT1G" SOT95P240X110-3N 179.878,10.072 r180 top
T7 "BSS138LT1G" SOT95P240X110-3N 187.237,9.615 r270 top
T8 "BSS138LT1G" SOT95P240X110-3N 183.757,9.584 r270 top
T9 "BSS138LT1G" SOT95P240X110-3N 179.319,6.059 r180 top
T10 "BSS138LT1G" SOT95P240X110-3N 208.5,35.25 r90 top
T11 "FDC606P" SOT95P275X110-6N 134.5,31.3 r180 top
T12 "FDC606P" SOT95P275X110-6N 131.6,58.5 r90 top
T13 "BC847B" SOT95P230X110-3N 137.9,34.8 r180 top
T14 "BC847B" SOT95P230X110-3N 130.2,54.6 r0 top
T15 "BSS138LT1G" SOT95P240X110-3N 161.773,6.909 r90 top
T16 "BSS138LT1G" SOT95P240X110-3N 9.324,9.525 r180 top
T17 "FQD3N60CTM" TO228P991X239-3N-R552X520 378.133,195.288 r90 top
T18 "BC847B" SOT95P230X110-3N 400.548,166.338 r0 top
T19 "BC857B" SOT95P230X110-3N 404.001,166.338 r0 top
T20 "FQD3P50TM" TO228P991X239-3N-R552X520 371.167,195.288 r90 top
T21 "SI4425DDY-T1-GE3" SOIC127P600X175-8N 310.05,165.333 r0 top
T22 "BC847B" SOT95P230X110-3N 407.453,166.338 r0 top
TP1 "Test Point" TPS127 176.746,12.739 r270 top
TP2 "Test Point" TPS127 174.562,12.713 r270 top
TP3 "Test Point" TPS127 176.746,10.402 r180 top
TP4 "Test Point" TPS127 116.84,87.147 r180 top
TP5 "Test Point" TPS127 123.592,44.43 r270 top
TP6 "Test Point" TPS127 183.706,12.637 r270 top
TP7 "Test Point" TPS127 194.793,64.719 r180 top
TP8 "Test Point" TPS127 329.004,160.15 r0 top
TP9 "Test Point" TPS127 22.504,8.103 r180 top
TP10 "Test Point" TPS127 129.362,12.725 r270 top
TP11 "Test Point" TPS127 121.546,35.837 r270 top
TP12 "Test Point" TPS127 187.77,12.612 r0 top
TP13 "Test Point" TPS127 331.125,160.15 r90 top
TP14 "Test Point" TPS127 146.747,95.457 r90 top
TP15 "Test Point" TPS127 115.189,84.811 r180 top
TP16 "Test Point" TPS127 146.75,90.5 r180 top
TP17 "Test Point" TPS127 123.577,41.553 r180 top
TP18 "Test Point" TPS127 118.999,88.316 r180 top
TP19 "Test Point" TPS127 116.459,91.846 r180 top
TP20 "Test Point" TPS127 116.6,89.441 r180 top
TP21 "Test Point" TPS127 48.387,89.992 r0 top
TP22 "Test Point" TPS127 322.642,160.15 r90 top
TP23 "Test Point" TPS127 324.763,160.15 r90 top
TP24 "Test Point" TPS127 326.884,160.15 r90 top
TP27 "Test Point" TPS127 49.276,5.918 r180 top
U1 "ICE40HX8K-CT256" LATC-caBGA-256 106.8,17.6 r180 top locked

## Footprints (in the part's own frame and the unit in brackets; to place one, negate y for a bottom-side part, rotate by r counter-clockwise, add the part's x,y. Pads: shape width x height; smd on the part's side, far side on the other; paste and mask are expansions set on the pad)
3M_N2530-6002RB [mm] "30 Contacts - Straight .100\" x .100\" Low Profile Four-Wall Header"
  round 1.6 hole 1: 1(-17.78,-1.27) 2(-17.78,1.27) 3(-15.24,-1.27) 4(-15.24,1.27) 5(-12.7,-1.27) 6(-12.7,1.27) 7(-10.16,-1.27) 8(-10.16,1.27) 9(-7.62,-1.27) 10(-7.62,1.27) 11(-5.08,-1.27) 12(-5.08,1.27) 13(-2.54,-1.27) 14(-2.54,1.27) 15(0,-1.27) 16(0,1.27) 17(2.54,-1.27) 18(2.54,1.27) 19(5.08,-1.27) 20(5.08,1.27) 21(7.62,-1.27) 22(7.62,1.27) 23(10.16,-1.27) 24(10.16,1.27) 25(12.7,-1.27) 26(12.7,1.27) 27(15.24,-1.27) 28(15.24,1.27) 29(17.78,-1.27) 30(17.78,1.27)
  silkscreen extent -22.71,-4.85 22.71,4.52, body extent -22.71,-4.11 22.71,4.52, height 9.91
8-CLCC [mm]
  rect 0.7x1.85 smd: 1(-1.521,-2.197) 2(-0.251,-2.197) 3(1.019,-2.197) 5(1.019,2.203) 6(-0.251,2.203) 7(-1.521,2.203)
  rect 1.85x0.7 smd: 4(1.949,0.003)
  rect 2.5x0.7 smd: 8(-2.001,0.003)
  silkscreen extent -2.85,-3.8 2.35,2.6, body extent -2.88,-2.63 2.38,2.63, height 1.55